# Altium PCB PCB.PcbDoc (part 2 of 2)
Units mm, origin at the board's own origin, x right, y up, seen from the top; angles counter-clockwise.
Board outline 152.4 x 101.6 mm, 2 copper layers (Top Layer, Bottom Layer); 155 components, 126 nets, 496 pads, 218 vias.
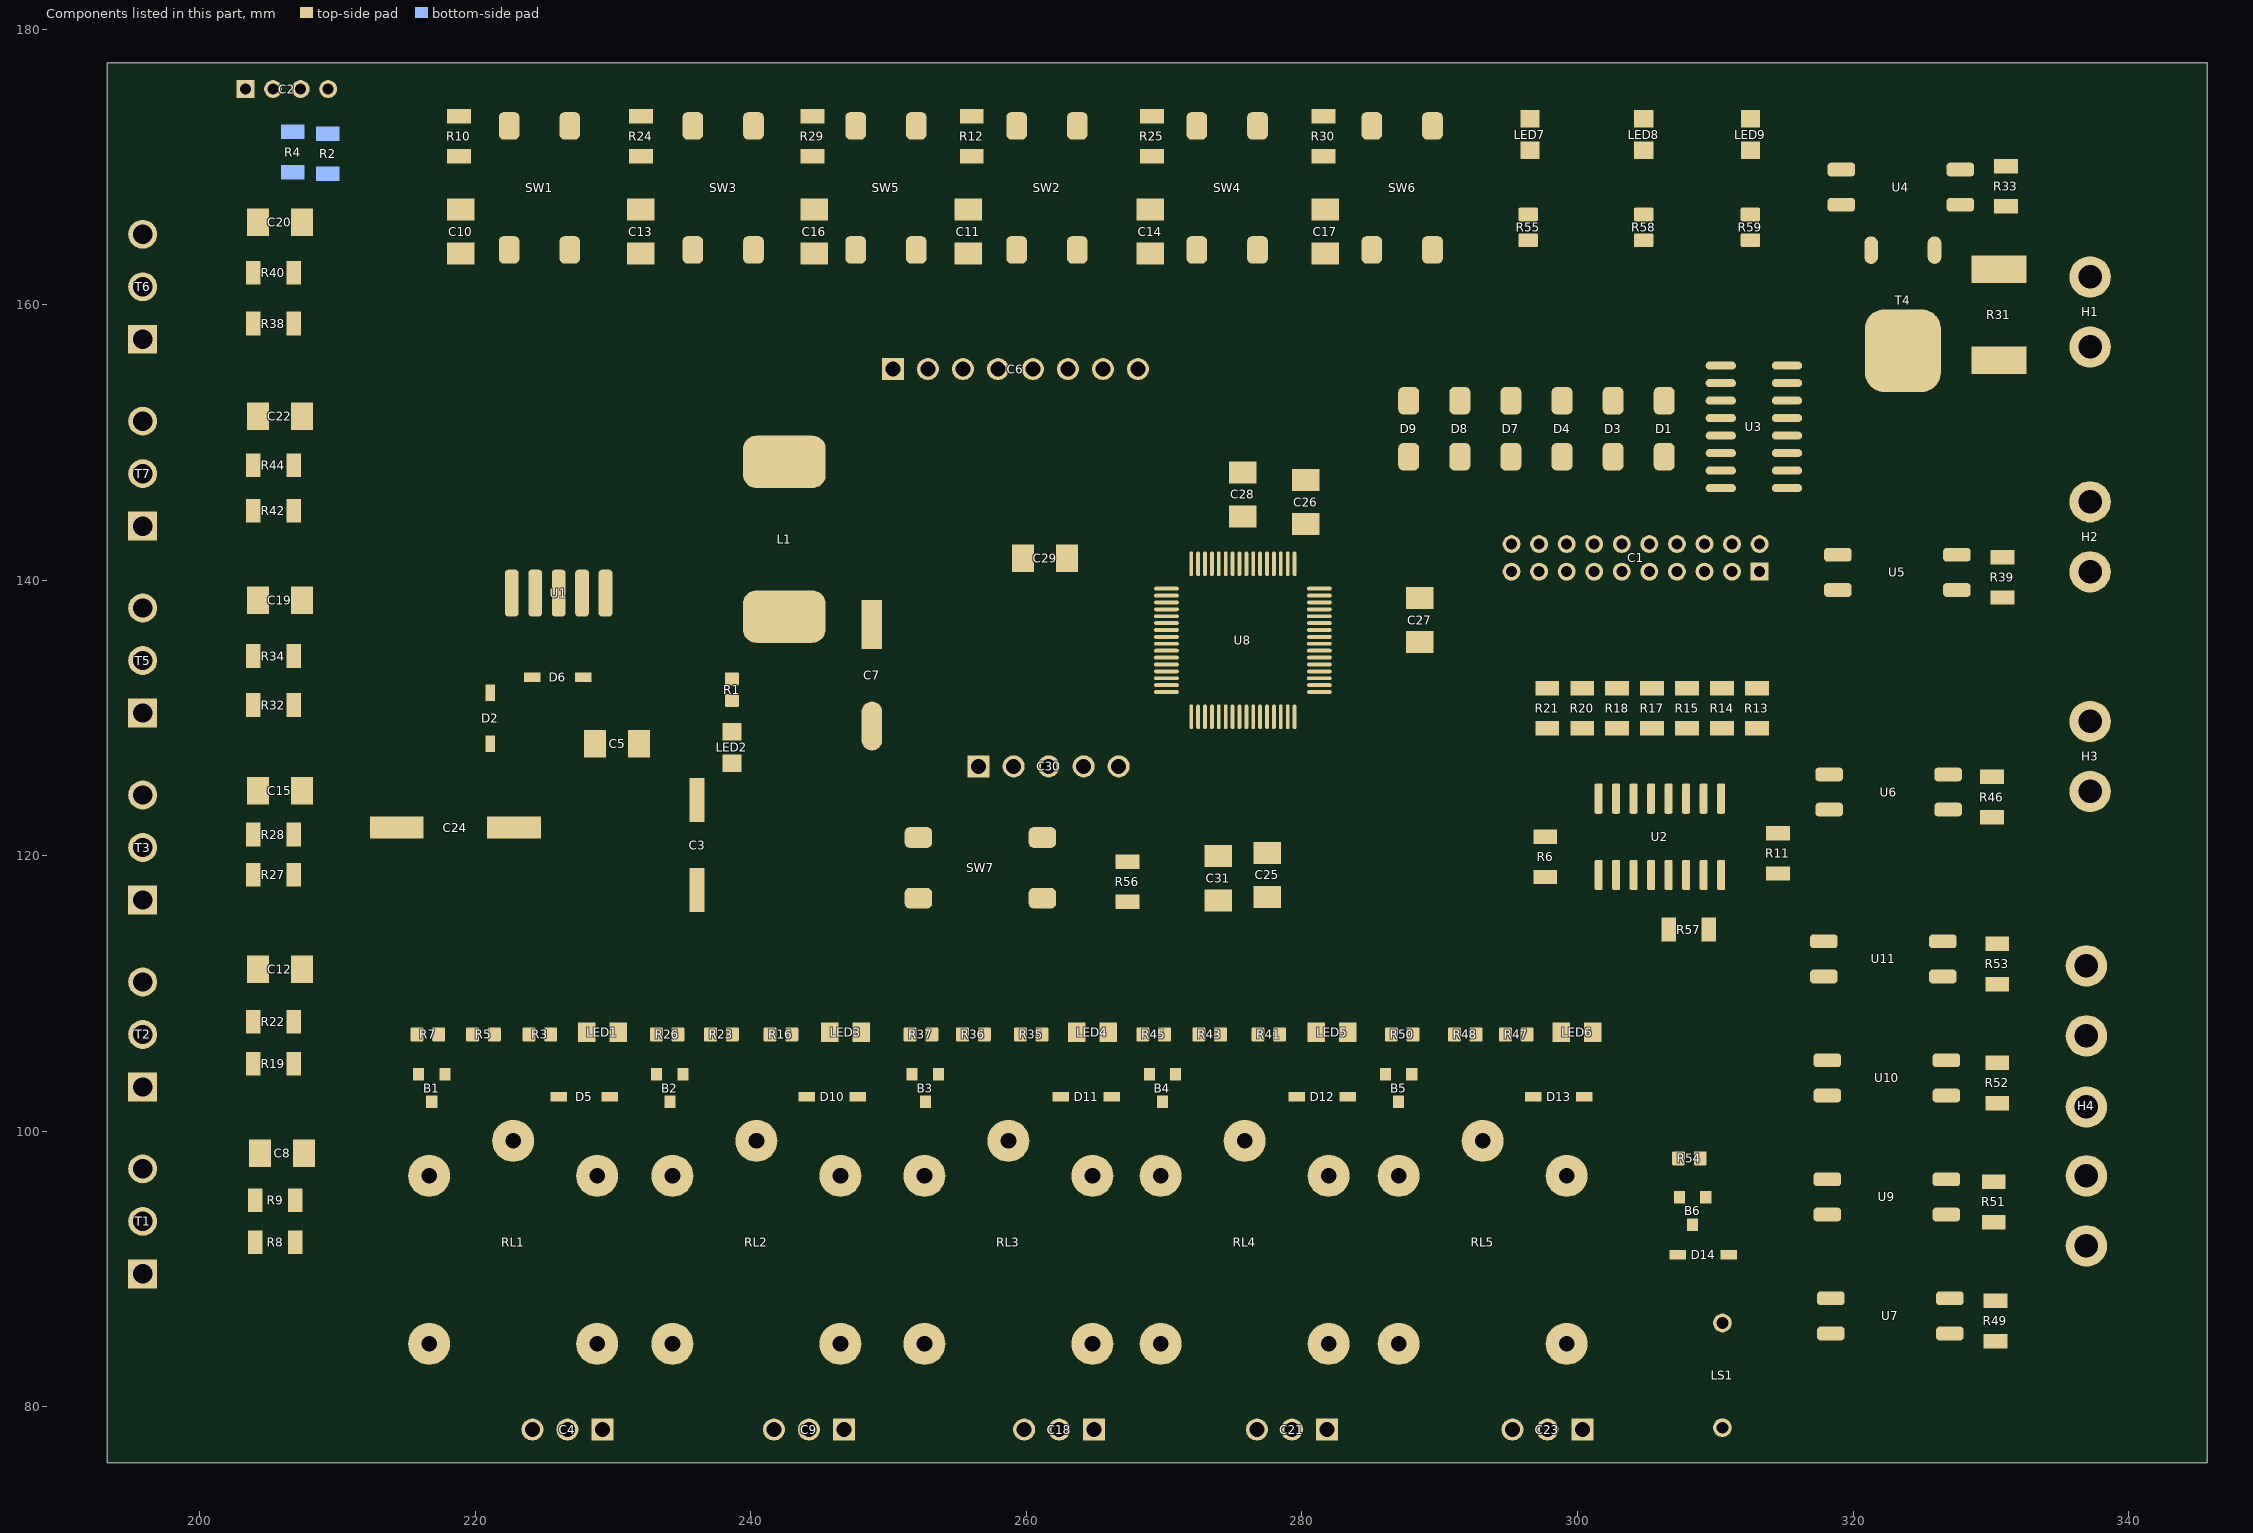
[diagram p2: the components of this part, seen from the top]

## Via types
v1: diameter 1.27, hole 0.8, Top Layer to Bottom Layer, 218 vias

## Nets (pads, with @x,y where several pads share a name; then routed paths per layer and width w, separated by ;. In a path a pad name is that pad's centre, name@x,y a point inside that pad or via, vN(x,y) a via of type N, cw(c..) or ccw(c..) an arc to the next point about the centre after c; other vN are vias at no path point) (continued)
copper on no net: | length 6695
  Top Layer w0.2: v1(198.12,139.573) 198.21,139.663 v1(198.21,142.658) ; v1(199.644,139.7) 200.025,140.081 v1(200.025,142.875) ; 203.333,175.641 203.333,176.536 203.708,176.911 218.821,176.911 ; v1(203.48,173.71) 205.333,173.71 ; 206.756,172.593 206.756,173.863 207.333,174.44 207.333,175.641 ; 206.819,145.034 207.073,144.78 v1(211.836,144.78) ; 206.819,158.623 v1(210.185,158.623) ; v1(207.01,116.713) 213.487,116.713 216.789,113.411 221.488,113.411 v1(223.266,111.633) ; 207.436,111.76 210.693,111.76 v1(210.693,111.887) ; 207.436,124.714 v1(209.931,124.714) ; 207.436,138.557 v1(209.931,138.557) ; 207.589,98.425 v1(209.804,98.425) ; v1(208.026,115.316) 212.09,115.316 215.773,111.633 216.281,111.633 v1(216.789,112.141) ; v1(208.915,106.807) 208.915,105.029 v1(211.455,102.489) ; 209.296,172.466 209.333,172.503 209.333,175.641 ; v1(212.09,106.172) 212.09,103.176 212.39,102.876 212.39,102.189 v1(213.868,100.711) ; v1(215.392,148.971) v1(217.551,146.812) ; v1(217.043,169.164) 217.043,164.084 217.424,163.703 218.948,163.703 ; v1(217.805,114.808) 223.139,114.808 v1(224.409,113.538) ; 218.821,173.672 218.821,176.911 ; 221.389,107.033 228.829,114.473 276.866,114.473 276.912,114.427 279.4,114.427 280.543,115.57 280.543,121.972 276.467,126.048 276.467,127.468 276.179,127.756 276.179,128.784 276.467,129.072 276.467,130.086 ; 222.463,172.972 220.243,170.752 218.821,170.752 218.821,167.03 218.948,166.903 221.879,163.972 222.463,163.972 222.463,160.188 224.536,158.115 252.603,158.115 255.397,155.321 255.397,147.193 256.621,145.969 257.562,145.969 257.608,145.923 262.255,145.923 264.668,143.51 264.668,143.06 264.061,142.453 264.061,140.481 262.636,139.056 v1(262.636,138.938) ; v1@229.362,175.133 v1(228.981,175.133) 228.981,173.609 228.344,172.972 226.863,172.972 226.863,163.972 227.132,163.703 232.029,163.703 ; v1(229.616,112.014) 251.916,112.014 252.47,112.568 253.244,112.568 253.798,112.014 v1(276.733,112.014) ; v1(229.87,113.538) v1(276.479,113.538) ; 230.378,107.188 230.378,107.315 v1(231.902,108.839) ; 232.029,173.672 231.902,173.545 231.902,176.911 ; 235.798,172.972 233.641,170.815 232.092,170.815 232.029,170.752 232.029,166.903 232.867,166.903 235.798,163.972 235.798,159.934 236.855,158.877 254.381,158.877 257.937,155.321 257.937,146.812 258.191,146.558 262.636,146.558 265.684,143.51 264.461,142.287 264.461,140.315 263.779,139.633 v1(263.779,137.668) ; v1(237.871,175.26) 237.998,175.387 237.998,176.911 ; v1(238.633,109.728) 238.661,109.7 238.661,107.033 ; v1(241.173,156.845) 242.195,155.823 242.195,152.458 ; v1(242.316,175.006) 242.316,173.863 241.425,172.972 240.198,172.972 240.198,163.972 240.467,163.703 244.602,163.703 ; 244.475,173.672 244.475,176.911 ; 247.609,172.972 246.507,171.87 246.507,171.196 246.063,170.752 244.475,170.752 244.475,167.03 244.602,166.903 246.355,166.903 247.609,165.649 247.609,163.972 247.609,160.569 248.625,159.553 256.245,159.553 260.477,155.321 259.08,153.924 259.08,147.447 263.652,147.447 266.619,144.48 266.619,142.061 264.876,140.318 264.876,138.17 265.424,137.622 265.857,137.622 265.857,137.131 265.638,136.912 265.638,136.479 265.303,136.144 v1(264.16,136.144) ; 248.031,107.188 248.031,107.696 v1(249.301,108.966) ; 252.167,116.926 261.167,116.926 ; 252.167,121.326 254.34,121.326 ; v1(252.857,111.633) 252.857,109.601 v1(253.619,108.839) ; v1(252.857,175.133) 252.857,173.82 252.009,172.972 252.009,163.972 ; v1(252.984,161.29) 252.73,161.29 252.009,162.011 252.009,163.972 ; v1(254.508,143.891) 254.762,143.637 v1(259.334,143.637) ; 255.778,163.703 252.278,163.703 252.009,163.972 ; v1(256.032,119.634) 254.34,121.326 ; 256.032,173.672 256.032,176.756 256.187,176.911 ; 256.54,126.492 256.54,132.91 255.465,133.985 255.465,136.115 256.892,137.541 v1(258.318,137.541) ; v1(256.921,108.458) 256.949,108.43 256.949,107.033 ; v1(257.175,145.034) 261.747,145.034 262.961,143.82 262.961,141.605 262.961,140.914 261.112,139.065 261.112,137.87 263.773,135.209 266.602,135.209 267.329,135.936 268.374,135.936 268.882,135.428 270.125,135.428 270.167,135.386 272.034,135.386 ; 259.293,172.972 259.293,172.171 257.874,170.752 256.032,170.752 256.032,167.157 255.778,166.903 256.184,166.497 257.302,166.497 259.293,164.506 259.293,163.972 259.293,161.077 263.017,157.353 263.017,155.321 259.969,152.273 259.969,149.352 260.985,148.336 264.287,148.336 267.189,145.434 267.189,142.123 267.086,142.02 267.086,141.766 266.959,141.639 266.959,139.705 v1(265.811,138.557) ; 259.761,141.605 259.761,138.528 263.607,134.682 263.717,134.682 263.965,134.434 263.965,131.377 261.366,128.778 ; 261.62,126.492 261.62,123.698 263.144,122.174 263.144,120.396 261.167,118.419 261.167,116.926 ; v1(262.128,128.143) 262.001,128.143 261.366,128.778 ; v1@265.176,175.26 v1(265.176,175.006) 265.176,174.455 263.693,172.972 263.693,163.972 268.717,163.972 268.986,163.703 ; 265.938,107.188 266.954,108.204 267.208,108.204 v1(267.716,108.712) ; v1(265.938,129.413) 267.081,130.556 267.081,130.628 267.065,130.644 267.065,130.938 268.035,131.908 268.035,132.665 268.596,133.226 269.127,133.226 269.287,133.386 270.167,133.386 ; v1(266.065,130.937) 266.065,131.572 266.267,131.572 266.313,131.526 267.087,131.526 267.635,132.074 267.635,132.83 268.431,133.626 268.961,133.626 269.281,133.946 270.107,133.946 270.167,133.886 ; v1(266.573,136.525) 267.716,136.525 ; v1(266.7,132.461) 268.265,134.026 268.796,134.026 269.156,134.386 270.167,134.386 ; v1(267.462,134.747) 267.589,134.874 270.155,134.874 270.167,134.886 ; v1(267.843,129.286) 267.843,131.15 268.435,131.742 268.435,132.499 268.762,132.826 270.107,132.826 270.167,132.886 ; 267.843,136.398 267.716,136.525 ; 269.113,173.736 269.113,176.911 ; v1(269.494,140.589) 269.51,140.589 269.621,140.478 268.969,139.826 268.969,139.204 269.227,138.946 270.107,138.946 270.167,138.886 ; v1(269.494,142.748) 269.494,142.165 268.686,141.357 268.686,141.103 268.559,140.976 268.559,140.202 268.569,140.191 268.569,139.038 269.161,138.446 270.107,138.446 270.167,138.386 ; v1(270.002,149.098) 272.542,149.098 273.05,148.59 273.05,145.911 273.967,144.994 273.967,141.186 ; v1(270.002,151.511) 272.415,151.511 274.32,149.606 274.32,146.685 275.467,145.538 275.467,141.186 ; v1@270.062,130.048 v1(270.256,130.048) 270.256,131.797 270.167,131.886 270.167,131.483 269.259,130.575 269.259,123.171 267.97,121.882 267.97,121.031 268.224,120.777 273.131,120.777 273.939,119.969 275.925,117.983 276.525,117.983 277.495,117.013 ; v1(270.129,144.78) 268.432,143.083 268.432,141.669 268.286,141.523 268.286,141.269 268.159,141.142 268.159,138.883 269.096,137.946 270.107,137.946 270.167,137.886 ; v1(270.129,146.304) 271.526,146.304 272.967,144.863 272.967,141.186 ; 270.167,135.886 274.062,135.886 v1(274.066,135.89) 275.971,135.89 276.467,136.386 276.467,141.186 276.467,146.431 275.867,147.031 275.867,148.267 275.844,148.29 275.844,152.019 275.636,152.227 273.477,152.227 v1(273.431,152.273) ; 270.167,136.386 270.107,136.446 268.43,136.446 268.097,136.779 268.097,138.129 267.759,138.467 267.759,141.308 267.886,141.435 267.886,141.689 268.032,141.835 268.032,143.249 269.113,144.33 269.113,145.796 268.097,146.812 268.097,147.193 266.319,148.971 266.319,153.035 268.097,154.813 268.097,155.321 268.097,159.131 270.256,161.29 282.392,161.29 285.074,163.972 ; 270.167,136.886 270.227,136.946 v1(272.709,136.946) ; 270.167,137.386 271.827,137.386 272.322,137.881 273.096,137.881 273.591,137.386 274.419,137.386 v1(274.447,137.414) ; 270.167,139.386 270.637,139.856 270.637,141.097 270.891,141.351 v1(270.891,141.986) ; v1(270.51,118.745) 269.685,119.57 267.335,119.57 267.335,122.174 268.835,123.674 268.835,132.252 268.909,132.326 270.107,132.326 270.167,132.386 271.959,132.386 272.034,132.461 272.034,135.386 ; v1(271.018,143.51) 272.034,143.51 272.467,143.077 272.467,141.186 ; v1(271.145,155.194) 276.606,155.194 276.733,155.067 281.94,160.274 289.052,160.274 291.211,162.433 315.595,162.433 316.738,163.576 316.738,169.037 317.5,169.799 319.151,169.799 ; v1(271.653,147.955) 272.288,147.32 272.288,146.108 273.467,144.929 273.467,141.186 ; v1(271.907,150.241) 272.923,150.241 273.558,149.606 273.558,146.304 274.447,145.415 274.447,144.653 274.467,144.633 274.467,141.186 ; 271.967,130.086 271.967,126.858 271.734,126.625 271.734,122.728 272.669,121.793 275.209,121.793 276.789,120.213 277.495,120.213 ; 272.374,172.972 270.154,170.752 269.113,170.752 268.986,170.625 268.986,166.903 271.917,163.972 272.374,163.972 272.374,163.281 271.082,161.988 269.811,161.988 265.557,157.734 265.557,155.321 261.874,151.638 261.874,149.733 264.16,149.733 267.589,146.304 267.589,141.957 267.486,141.854 267.486,141.6 267.359,141.473 267.359,136.882 267.716,136.525 ; 272.467,130.086 272.467,126.44 v1(272.669,126.238) ; v1(273.431,158.115) 276.86,158.115 v1(278.892,160.147) ; 273.467,130.086 273.467,128.306 273.812,127.961 273.532,127.681 v1(273.532,127.581) ; 273.939,116.769 273.82,116.65 267.335,116.65 267.059,116.926 261.167,116.926 ; v1(273.939,125.222) 273.939,125.984 274.467,126.512 274.467,127.968 274.452,127.983 274.452,130.071 274.467,130.086 ; 274.094,107.033 274.193,107.132 v1(274.193,109.093) ; 274.967,130.086 275.001,130.052 275.001,129.303 274.907,129.209 274.907,129.146 274.852,129.091 274.852,128.149 274.867,128.134 274.867,127.371 275.001,127.237 275.001,125.632 274.89,125.521 274.89,124.415 276.669,122.636 278.303,122.636 v1(278.638,122.301) ; 274.967,141.186 274.967,139.434 v1(275.082,139.319) ; 275.467,130.086 275.467,129.204 275.307,129.044 275.307,127.496 275.467,127.336 275.467,125.532 275.29,125.355 275.29,124.581 275.838,124.033 277.033,124.033 v1(277.495,123.571) ; 275.967,130.086 275.967,129.138 275.727,128.898 275.727,127.642 275.967,127.402 275.967,125.226 v1(276.225,124.968) ; v1(276.86,132.842) 276.86,133.858 277.387,134.385 277.387,134.818 277.997,135.428 278.43,135.428 279.388,136.386 281.267,136.386 ; 276.967,130.086 276.967,128.29 v1(277.114,128.143) ; 277.467,130.086 277.467,129.078 277.501,129.078 278.049,128.53 278.049,126.954 278.638,126.365 v1(279.273,126.365) ; v1@277.495,175.051 v1(277.495,175.006) 277.495,173.693 276.774,172.972 276.774,163.972 278.75,163.972 ; v1(278.13,136.652) 278.892,137.414 v1(278.892,138.938) ; v1(278.384,134.493) 277.876,134.493 278.257,134.112 280.031,135.886 281.267,135.886 ; v1(278.638,144.78) 279.787,144.78 280.549,144.018 281.253,144.018 281.259,144.012 281.259,143.593 284.436,143.593 ; 278.836,152.227 279.044,152.019 279.044,147.091 276.967,145.014 276.967,141.186 276.967,134.906 276.987,134.886 ; v1(278.892,162.814) 278.892,163.83 278.75,163.972 ; v1(279.134,133.164) 279.134,133.592 279.669,134.127 279.669,134.734 280.261,135.326 281.207,135.326 281.267,135.386 ; 279.467,130.086 281.658,127.895 283.926,127.895 285.998,129.967 289.514,129.967 v1(289.56,129.921) ; v1(280.543,130.556) 282.448,128.651 283.591,128.651 285.496,130.556 288.873,130.556 289.173,130.856 289.947,130.856 290.495,130.308 290.495,130.129 291.084,129.54 291.465,129.921 v1(292.1,129.921) ; v1(280.67,145.288) 280.67,146.633 280.37,146.933 280.37,147.909 280.679,148.218 v1(280.679,148.773) ; 281.267,131.886 281.267,131.483 281.605,131.145 286.72,131.145 v1(287.528,131.953) ; 281.267,132.386 281.319,132.334 285.623,132.334 285.75,132.207 v1(285.623,132.08) ; 281.267,132.886 281.269,132.888 283.4,132.888 283.673,133.161 289.749,133.161 291.084,131.826 294.005,131.826 v1(294.513,131.318) ; 281.267,133.386 283.332,133.386 283.507,133.561 290.111,133.561 291.384,132.288 294.848,132.288 v1(295.275,132.715) ; 281.267,133.886 283.267,133.886 283.342,133.961 290.473,133.961 291.211,133.223 v1(293.624,133.223) ; 281.267,134.386 291.953,134.386 v1(291.973,134.366) ; 281.267,137.386 282.349,137.386 282.956,136.779 283.972,136.779 v1(284.988,137.795) ; 281.267,137.886 283.301,137.886 v1(283.337,137.922) ; 281.267,139.386 287.867,139.386 288.544,138.709 293.301,138.709 295.213,140.621 ; v1(281.305,147.32) 282.194,146.431 v1(282.194,145.288) ; 281.559,173.672 281.559,176.911 ; 281.686,163.703 281.417,163.972 278.75,163.972 ; v1(282.695,148.009) 282.695,147.581 283.718,146.558 v1(283.718,146.05) ; v1(282.829,117.348) 282.956,117.348 v1(284.988,119.38) ; v1(282.829,149.479) 286.639,145.669 286.639,144.907 ; 283.337,107.188 284.48,108.331 v1(284.988,108.331) ; v1(283.845,141.224) 284.861,142.24 285.237,142.24 285.445,142.032 287.039,142.032 287.247,142.24 291.465,142.24 292.034,141.671 318.897,141.671 318.897,141.844 ; v1(283.972,115.951) 283.972,116.205 v1(286.512,118.745) ; v1(284.099,126.238) 284.48,126.238 v1(287.274,129.032) ; 285.074,172.972 283.779,172.972 281.559,170.752 281.686,170.625 281.686,166.903 282.143,166.903 285.074,163.972 ; v1(285.496,124.079) 285.496,124.333 v1(288.798,127.635) ; v1(286.639,141.097) 286.639,140.843 286.893,140.589 v1(290.957,140.589) ; v1(287.655,124.079) 287.782,124.206 v1(290.195,124.206) ; 287.75,148.955 289.893,146.812 292.989,146.812 295.213,144.588 295.213,142.621 ; 287.75,153.019 287.75,154.845 287.782,154.877 v1(287.782,155.067) ; v1(287.782,162.433) 287.782,163.703 287.513,163.972 285.074,163.972 ; v1(288.036,121.92) 289.231,121.92 291.13,123.819 291.13,124.593 290.495,125.228 290.495,126.7 290.703,126.908 v1(290.703,128.143) ; 288.544,135.509 287.921,134.886 281.267,134.886 281.267,134.826 280.327,134.826 280.069,134.568 280.069,133.204 280.069,132.777 278.576,131.284 277.096,131.284 275.925,132.455 275.925,133.489 276.987,134.551 276.987,134.886 ; v1(289.306,120.904) 289.479,121.077 291.765,121.077 293.37,122.682 292.1,123.952 292.481,124.333 v1(292.481,128.397) ; 289.474,163.236 289.474,163.972 289.474,172.972 289.685,172.972 291.211,174.498 v1(291.211,175.006) v1@291.211,175.26 ; v1(291.338,144.907) 286.639,144.907 ; 291.459,148.955 292.37,148.955 297.213,144.112 297.213,142.621 ; 291.459,153.019 291.459,155.061 v1(291.465,155.067) ; v1(291.592,120.142) 291.592,120.338 293.77,122.516 293.77,122.574 294.195,122.999 293.243,123.952 293.243,125.857 294.132,126.746 v1(293.624,126.746) ; 292.636,107.033 v1(292.636,109.192) ; v1(294.513,173.355) 296.418,173.355 296.545,173.482 ; v1(295.021,125.095) 295.021,123.444 v1(295.529,122.936) ; 295.167,148.955 299.213,144.909 299.213,142.621 ; 295.167,153.019 298.875,153.019 298.875,155.365 v1(299.085,155.575) ; 296.418,164.673 298.323,164.673 ; 296.418,166.543 296.545,166.67 296.545,171.196 ; 297.213,140.621 297.213,137.955 296.291,137.033 296.291,133.529 296.591,133.229 296.591,132.455 296.291,132.155 296.291,127.433 296.464,127.26 296.464,126.486 296.291,126.313 296.291,125.349 297.656,123.984 297.656,121.38 ; 297.656,118.46 297.656,116.999 298.323,116.332 302.768,116.332 ; 297.795,129.254 297.795,127.655 298.196,127.254 299.847,127.254 300.99,126.111 302.26,126.111 302.8,125.571 302.8,124.149 ; 297.795,132.174 297.795,136.886 299.213,138.304 299.213,140.621 ; v1(298.196,105.156) 299.085,105.156 301.117,107.188 302.133,106.172 302.133,88.138 304.038,86.233 v1(304.292,86.233) ; 298.875,148.955 298.875,148.8 301.213,146.462 301.213,142.621 ; 300.333,129.254 300.333,127.784 301.244,126.873 303.022,126.873 304.07,125.825 304.07,124.149 ; 300.333,132.174 300.333,136.884 301.117,137.668 301.117,140.525 301.213,140.621 ; v1(300.736,109.728) 306.324,109.728 v1(306.959,109.093) ; v1(300.99,114.173) 302.97,114.173 304.286,112.857 306.878,112.857 v1(312.801,106.934) ; 301.53,124.149 301.53,122.46 301.689,122.301 306.07,122.301 306.61,121.761 306.61,118.611 306.61,114.649 ; v1(302.387,155.575) 302.641,155.575 302.584,155.518 302.584,153.019 ; 302.584,148.955 302.584,146.615 303.213,145.986 303.213,142.621 ; 302.8,118.611 302.8,116.364 302.768,116.332 ; 302.871,129.254 302.871,128.167 304.165,126.873 304.546,126.873 305.34,126.079 305.34,124.149 ; 302.871,132.174 302.871,137.898 303.213,138.24 303.213,140.621 ; v1(303.403,108.458) 305.308,106.553 v1(305.308,106.299) ; v1(303.657,121.158) 303.721,121.158 304.07,120.809 304.07,118.611 ; v1(304.673,113.792) v1(304.673,116.332) 302.768,116.332 ; v1(304.673,155.829) 305.689,155.829 306.292,155.226 306.292,153.019 ; 304.8,166.543 304.8,171.196 ; 304.8,173.482 307.721,173.482 v1(307.721,173.228) ; 305.213,140.621 305.213,137.763 305.409,137.567 305.409,132.174 ; 305.213,142.621 305.213,145.574 306.292,146.653 306.292,148.955 ; v1(305.308,98.044) 307.326,98.044 ; v1(305.308,120.777) 305.34,120.745 305.34,118.611 ; 305.409,129.254 305.34,129.254 305.689,128.905 305.689,127.635 306.61,126.714 306.61,124.149 ; 307.213,140.621 307.213,137.795 307.848,137.16 307.848,132.273 307.947,132.174 ; 307.213,142.621 307.213,142.875 307.975,143.637 309.663,143.637 310.552,144.526 311.727,144.526 311.746,144.545 317.138,144.545 318.643,146.05 318.643,151.003 317.881,151.765 315.201,151.765 ; 307.406,95.234 304.292,95.234 303.53,95.996 303.53,98.425 304.673,99.568 311.912,99.568 317.513,93.967 318.135,93.967 ; 307.88,118.611 v1(307.88,121.38) ; 307.88,124.149 307.947,124.216 307.947,129.254 ; 308.356,93.234 307.864,93.234 307.282,92.652 307.282,91.059 307.282,83.37 310.515,80.137 310.515,78.496 ; 308.906,98.044 308.906,96.859 309.306,96.459 309.306,95.234 ; v1(308.991,157.607) 308.102,156.718 308.102,151.765 310.401,151.765 310.274,151.892 ; 309.15,118.611 309.15,117.062 309.753,116.459 313.436,116.459 314.547,117.57 314.547,118.714 ; 309.15,124.149 309.15,125.949 310.485,127.284 310.485,129.254 ; 309.213,140.621 309.213,138.335 310.485,137.063 310.485,132.174 ; 309.213,142.621 310.229,143.637 311.404,143.637 311.912,144.145 317.627,144.145 319.278,145.796 319.278,152.273 318.516,153.035 315.201,153.035 ; 310.401,146.685 312.674,146.685 v1(312.801,146.812) ; 310.401,153.035 311.912,153.035 311.912,154.178 312.674,154.94 312.674,157.607 v1(312.801,157.734) ; 310.401,154.305 311.15,154.305 312.039,155.194 312.039,157.174 311.866,157.347 311.866,159.466 v1(312.039,159.639) ; 310.401,155.575 310.401,161.049 v1(310.515,161.163) ; 310.42,118.611 311.778,118.611 v1(311.785,118.618) ; 310.42,124.149 310.42,126.143 310.769,126.492 311.658,126.492 312.42,127.254 312.42,128.651 313.023,129.254 ; 310.515,86.096 310.515,88.138 310.982,88.605 310.982,91.059 ; v1(310.642,173.355) 310.769,173.482 312.547,173.482 ; 311.213,140.621 311.213,138.494 312.928,136.779 312.928,132.269 313.023,132.174 ; 311.213,142.621 312.229,143.637 317.881,143.637 319.678,145.434 319.678,153.651 319.024,154.305 315.201,154.305 ; 312.547,166.543 312.547,171.196 ; 313.213,140.621 314.579,139.255 314.579,121.666 314.547,121.634 ; 313.213,142.621 313.236,142.644 317.777,142.644 320.078,144.945 320.078,153.905 318.408,155.575 315.201,155.575 ; v1(314.452,156.718) 319.151,156.718 v1(319.659,156.21) ; v1(314.706,164.5) 314.533,164.673 312.547,164.673 304.8,164.673 298.323,164.673 ; 315.201,146.685 316.357,146.685 v1(317.5,147.828) ; v1(315.722,132.461) v1(315.722,135.509) ; v1(315.849,88.011) 315.976,87.884 318.389,87.884 ; v1(315.849,157.734) v1(319.151,157.734) ; v1(315.849,159.512) 318.77,159.512 v1(318.897,159.385) ; v1@315.976,161.036 315.722,160.782 v1(315.722,161.29) 318.643,161.29 v1(318.77,161.417) ; v1(316.738,140.462) 316.738,139.371 320.086,136.023 320.086,135.249 319.551,134.714 319.551,133.383 319.959,132.975 319.959,130.094 318.135,128.27 318.262,128.143 318.262,125.906 ; v1(317.5,115.697) 317.5,114.173 317.881,113.792 ; v1(317.5,132.461) v1(317.5,135.509) ; v1(317.754,106.934) 318.135,106.553 318.135,105.156 ; v1(318.008,98.552) 318.135,98.425 318.135,96.52 ; v1(319.024,132.588) 319.151,132.715 v1(319.151,135.636) ; 218.821,176.911 231.902,176.911 ; 231.902,176.911 237.998,176.911 ; 237.998,176.911 244.475,176.911 ; 244.475,176.911 256.187,176.911 ; 254.34,121.326 261.167,121.326 259.08,123.413 259.08,126.492 261.366,128.778 ; 256.187,176.911 269.113,176.911 ; 269.113,176.911 281.559,176.911 ; 272.034,135.386 273.173,135.386 273.673,134.886 276.987,134.886 ; 281.559,176.911 297.561,176.911 298.323,176.149 298.323,164.673 ; 286.529,143.129 286.065,143.593 284.449,143.593 285.61,142.432 285.832,142.432 286.529,143.129 ; 286.529,143.129 286.639,143.239 ; 286.529,143.129 286.639,143.129 286.639,143.239 ; 286.639,143.239 286.639,144.907
  Top Layer w0.5: v1@226.187,135.509 v1(226.314,135.382) ; 242.189,141.224 242.189,135.509 v1(242.316,135.509)
  Top Layer w1: 193.04,144.272 193.04,156.464 194.061,157.485 195.874,157.485 ; 195.874,89.662 193.675,89.662 193.04,90.297 193.04,103.378 ; 195.874,93.472 201.422,93.472 202.946,91.948 204.026,91.948 ; 195.874,97.282 199.39,97.282 199.962,97.853 ; 195.874,103.227 195.898,103.251 193.167,103.251 193.04,103.378 ; 195.874,107.037 200.176,107.037 202.311,104.902 203.899,104.902 ; 195.874,110.847 203.196,110.847 204.236,111.887 ; 195.874,116.791 193.245,116.791 193.04,116.586 ; 195.874,120.601 201.916,120.601 203.899,118.618 ; 195.874,124.411 200.357,124.411 200.66,124.714 204.236,124.714 ; 195.874,130.356 193.113,130.356 193.04,130.429 ; 195.874,134.166 199.825,134.166 200.533,133.458 200.552,133.458 203.073,130.937 203.899,130.937 ; 195.874,137.976 199.952,137.976 200.533,138.557 204.236,138.557 ; 195.874,143.92 193.04,143.92 193.04,140.843 ; 195.874,147.73 201.203,147.73 203.899,145.034 ; 195.874,151.54 196.226,151.892 204.236,151.892 ; 195.874,161.295 200.655,161.295 203.327,158.623 203.899,158.623 ; 195.874,165.105 200.538,165.105 201.422,165.989 204.236,165.989 ; v1(196.977,140.843) 193.04,140.843 ; v1(200.914,95.885) 199.962,96.837 199.962,97.853 ; 204.026,94.996 204.026,97.092 204.389,97.455 204.389,98.425 ; 205.333,175.641 205.333,173.71 204.236,172.613 204.236,165.989 ; 206.819,104.902 206.819,107.95 206.819,110.787 206.641,110.965 207.436,111.76 ; 206.819,118.618 206.819,121.539 206.819,123.38 207.436,123.997 207.436,124.714 ; 206.819,130.937 206.819,134.493 206.819,136.334 207.436,136.951 207.436,138.557 ; 206.819,145.034 206.819,148.336 207.436,148.953 207.436,151.892 ; 206.819,158.623 206.819,162.306 207.436,162.923 207.436,165.989 ; 206.946,91.948 206.946,94.996 206.946,97.782 207.589,98.425 ; v1(207.772,141.859) 219.866,141.859 222.66,139.065 222.66,136.681 221.107,135.128 221.107,131.843 219.456,130.192 219.456,123.063 221.742,120.777 231.394,120.777 234.658,124.041 236.106,124.041 ; v1(213.614,104.267) 215.773,104.267 215.773,107.033 ; 216.662,84.582 221.107,84.582 224.155,81.534 224.155,78.359 ; 216.662,96.774 216.85,96.962 216.85,102.14 225.689,102.14 226.06,102.511 ; 217.353,107.033 219.809,107.033 219.809,105.438 220.853,104.394 ; 217.8,104.14 218.186,104.14 218.44,104.394 220.853,104.394 ; 222.758,99.314 222.631,99.187 222.631,85.852 226.822,81.661 226.822,78.486 226.695,78.359 ; 223.901,107.033 223.901,105.156 223.139,104.394 220.853,104.394 ; 224.36,139.065 224.36,135.509 ; v1(225.425,128.397) 228.448,128.397 228.702,128.143 ; 225.481,107.033 225.636,107.188 228.092,107.188 ; 225.806,116.84 235.433,116.84 236.106,117.513 ; 225.806,124.206 226.822,124.206 228.702,126.086 228.702,128.143 ; 226.06,139.065 226.06,141.986 226.822,142.748 228.6,142.748 229.46,141.888 229.46,139.065 229.46,135.284 231.775,132.969 231.775,131.826 231.902,131.699 231.902,128.143 234.95,128.143 236.366,126.727 238.633,126.727 238.633,120.04 236.106,117.513 ; v1(226.314,135.382) 224.487,135.382 224.36,135.509 ; 227.76,139.065 227.76,134.825 229.997,132.588 229.997,131.318 228.702,130.023 228.702,128.143 ; 228.075,131.826 223.266,131.826 223.266,133.477 224.36,134.571 224.36,135.509 ; v1(228.473,104.14) 233.177,104.14 233.144,104.173 233.144,107.033 233.144,108.176 233.553,108.585 234.315,108.585 v1(234.823,109.093) ; 228.854,84.582 228.854,82.042 229.235,81.661 229.235,78.359 ; 229.76,102.511 229.76,97.68 228.854,96.774 228.854,96.52 v1(232.029,93.345) ; 234.315,84.582 238.76,84.582 241.681,81.661 241.681,78.359 ; 234.315,96.774 234.127,96.962 234.127,102.14 243.706,102.14 244.077,102.511 ; 234.724,107.033 237.081,107.033 237.081,105.692 238.252,104.521 ; 235.077,104.14 235.458,104.521 238.252,104.521 ; v1(236.855,132.842) 238.633,132.842 239.776,133.985 255.465,133.985 ; 238.633,129.013 238.633,131.262 ; v1(240.03,117.475) 239.992,117.513 236.106,117.513 ; 240.411,99.314 240.411,85.598 244.221,81.788 244.221,78.359 ; 241.399,107.033 241.399,105.255 240.538,104.394 238.379,104.394 238.252,104.521 ; 242.195,152.458 245.058,155.321 250.317,155.321 ; 242.979,107.033 243.134,107.188 245.745,107.188 ; v1(243.205,95.25) 243.84,95.25 244.221,95.631 244.475,95.631 244.856,96.012 245.745,96.012 246.507,96.774 247.777,98.044 247.777,102.511 ; 246.507,84.582 246.507,78.613 246.761,78.359 ; 251.719,104.14 251.559,104.3 251.559,107.033 251.559,108.684 251.714,108.839 v1(253.619,108.839) ; 252.603,84.582 256.794,84.582 259.969,81.407 259.969,78.486 259.842,78.359 ; 252.603,96.774 252.669,96.84 252.669,102.14 262.121,102.14 262.492,102.511 ; 253.139,107.033 255.369,107.033 255.369,105.692 256.032,105.029 ; 253.619,104.14 254.508,105.029 256.032,105.029 ; 258.699,99.314 258.699,85.471 262.382,81.788 262.382,78.359 ; 259.56,107.033 259.56,105.509 259.08,105.029 256.032,105.029 ; 261.14,107.033 263.497,107.033 263.652,107.188 ; v1(261.62,104.648) v1(265.176,104.648) 268.163,104.648 268.417,104.394 268.544,104.521 ; v1(262.128,92.583) 262.128,94.107 264.795,96.774 266.192,98.171 266.192,102.511 ; 264.795,84.582 264.795,78.486 264.922,78.359 ; 268.45,107.033 268.45,104.615 268.544,104.521 ; 268.925,104.14 268.544,104.521 ; 269.748,84.582 273.431,84.582 276.733,81.28 276.733,78.359 ; 269.748,96.774 269.875,96.901 269.875,102.14 274.606,102.14 274.638,102.108 279.234,102.108 279.637,102.511 ; 270.03,107.033 272.514,107.033 272.514,105.829 270.825,104.14 275.209,104.14 276.804,105.735 276.804,107.033 ; 275.844,99.314 275.844,85.852 279.273,82.423 279.273,78.359 ; 278.384,107.033 280.896,107.033 281.051,107.188 ; 281.813,78.359 281.94,78.486 281.94,84.582 ; 281.94,96.774 283.337,98.171 283.337,102.511 ; v1(282.321,104.14) 286.07,104.14 286.07,106.619 286.484,107.033 ; 287.02,84.582 291.084,84.582 295.275,80.391 295.275,78.359 ; 287.02,96.774 287.02,102.14 296.411,102.14 296.782,102.511 ; 287.97,104.14 288.064,104.234 288.064,107.033 291.056,107.033 291.056,105.946 292.227,104.775 293.878,104.775 294.767,105.664 294.767,107.033 ; 293.116,99.314 293.116,85.979 297.815,81.28 297.815,78.359 ; 296.347,107.033 298.676,107.033 298.831,107.188 ; v1(296.799,92.456) 296.926,92.456 299.022,94.551 299.022,96.584 299.212,96.774 299.593,97.155 299.593,101.622 300.482,102.511 ; 299.212,84.582 300.355,83.439 300.355,78.359 ; 306.61,114.649 306.61,114.256 309.628,111.239 317.881,111.239 319.011,111.239 320.675,112.903 ; 309.53,114.649 311.753,114.649 v1(311.785,114.681) ; v1(318.008,119.761) 317.5,120.269 317.5,122.971 317.881,123.352 318.262,123.352 319.116,123.352 320.675,121.793 ; 318.135,93.967 320.027,93.967 320.675,94.615 ; 318.135,102.603 319.773,102.603 320.675,103.505 ; 318.389,85.331 320.281,85.331 320.675,85.725 320.675,94.615 ; 321.31,163.957 319.532,165.735 319.532,166.865 319.151,167.246 319.773,167.246 325.501,172.974 333.883,172.974 337.202,169.655 337.202,162.011 340.909,162.011 341.884,161.036 341.884,146.558 ; v1(321.818,140.208) 319.814,140.208 318.897,139.291 320.597,137.59 320.675,137.668 320.675,136.566 320.886,136.355 320.886,134.917 320.351,134.382 320.351,133.715 320.759,133.307 320.759,121.877 320.675,121.793 ; 323.61,156.657 326.832,156.657 327.533,155.956 330.581,155.956 336.227,155.956 337.202,156.931 ; 325.91,163.957 325.628,164.239 325.628,166.497 325.247,166.878 325.247,168.529 326.517,169.799 327.787,169.799 330.835,169.799 331.089,170.053 ; 326.517,113.792 330.274,113.792 330.454,113.612 332.793,113.612 333.375,113.03 333.375,109.22 335.661,106.934 336.931,106.934 ; 326.771,93.967 325.133,93.967 324.231,94.869 ; 326.771,96.52 330.02,96.52 330.2,96.34 336.497,96.34 336.931,96.774 ; 326.771,102.603 325.387,102.603 324.231,103.759 ; 326.771,105.156 327.354,105.156 330.454,102.056 336.647,102.056 336.931,101.773 ; v1(326.771,108.204) 327.914,109.347 327.914,110.617 327.292,111.239 326.517,111.239 325.107,111.239 324.231,110.363 ; 326.898,123.352 325.536,123.352 324.231,122.047 ; 326.898,125.906 326.973,125.906 330.073,122.806 335.335,122.806 337.202,124.673 ; 327.025,85.331 325.768,85.331 324.231,86.868 324.231,94.869 ; 327.025,87.884 327.227,87.884 330.327,84.784 333.704,84.784 336.931,88.011 336.931,91.694 ; 327.533,141.844 330.655,141.844 330.835,141.664 336.149,141.664 337.202,140.611 ; 327.787,167.246 328.041,166.992 v1(328.041,165.735) ; v1(328.168,136.398) 328.168,139.291 327.533,139.291 325.854,139.291 324.231,137.668 324.231,122.047 ; 330.073,125.726 330.835,126.488 330.835,127.127 ; 330.2,93.42 330.327,93.293 330.327,87.704 330.401,87.63 v1(334.01,87.63) ; 330.454,110.692 330.454,104.976 332.666,104.976 333.248,104.394 v1(333.756,104.394) v1@333.83,104.394 ; 330.581,162.56 331.089,163.068 331.089,167.133 v1(334.517,167.133) ; 330.835,138.744 330.835,127.127 ; v1(334.518,127.127) 330.835,127.127 ; v1(335.28,118.364) 336.931,116.713 336.931,112.014 340.614,112.014 342.011,113.411 342.011,130.81 341.884,130.683 ; 337.202,129.753 340.954,129.753 341.884,130.683 ; 337.202,145.691 341.017,145.691 341.884,146.558 ; 193.04,103.378 193.04,116.586 ; 193.04,116.586 193.04,130.429 ; 193.04,130.429 193.04,140.843 ; 199.962,97.853 200.533,98.425 204.389,98.425 ; 204.236,111.887 204.236,111.76 204.236,110.637 203.899,110.3 203.899,107.95 203.962,107.95 205.359,106.553 205.359,102.108 204.389,101.138 204.389,98.425 ; 204.236,111.887 204.236,114.955 205.486,116.205 205.486,119.952 203.899,121.539 203.835,121.603 203.835,124.313 204.236,124.714 ; 204.236,124.714 204.343,124.821 204.343,127.762 205.359,128.778 205.359,133.033 203.899,134.493 203.899,137.351 204.236,137.688 204.236,138.557 ; 204.236,138.557 204.236,140.736 205.359,141.859 205.359,146.876 203.899,148.336 204.236,148.673 204.236,151.892 ; 204.236,151.892 204.236,154.452 205.486,155.702 205.486,160.719 203.899,162.306 204.236,162.643 204.236,165.989 ; 320.675,94.615 320.675,103.505 ; 320.675,103.505 320.675,112.903 ; 320.675,112.903 320.675,121.793 ; 324.231,94.869 324.231,103.759 ; 324.231,103.759 324.231,110.363 ; 324.231,110.363 324.231,122.047 ; 341.884,130.683 341.884,146.558
  Bottom Layer w0.2: v1(198.12,139.573) 198.12,115.062 207.772,115.062 v1(208.026,115.316) ; v1(198.21,142.658) 198.21,177.128 206.788,177.128 206.844,177.184 207.176,177.184 207.232,177.128 209.333,177.128 209.333,175.641 ; v1(199.644,139.7) 199.644,116.713 v1(207.01,116.713) ; v1(200.025,142.875) 198.755,144.145 198.755,175.768 199.578,176.591 207.203,176.591 207.333,176.461 207.333,175.641 ; 203.333,175.641 202.311,175.641 201.93,175.26 201.93,171.069 203.39,169.609 206.756,169.609 206.883,169.482 209.296,169.482 208.915,169.101 208.915,115.749 208.961,115.703 208.961,106.853 v1(208.915,106.807) ; v1(203.48,173.71) 203.48,173.889 203.962,174.371 210.566,174.371 210.82,174.625 210.82,176.276 217.043,176.276 ; v1(209.804,98.425) 212.217,98.425 213.868,100.076 v1(213.868,100.711) ; v1(209.931,124.714) 209.931,136.017 221.869,147.955 v1(271.653,147.955) ; v1(209.931,138.557) 211.328,138.557 221.869,149.098 v1(270.002,149.098) ; v1(210.185,158.623) 215.392,153.416 v1(215.392,148.971) ; v1(210.693,111.887) 210.693,122.682 211.074,123.063 211.074,135.128 222.25,146.304 v1(270.129,146.304) ; v1(211.455,102.489) 212.09,101.854 231.775,101.854 ; v1(211.836,144.78) 213.233,144.78 219.964,151.511 v1(270.002,151.511) ; v1(212.09,106.172) 212.09,134.112 221.869,143.891 v1(254.508,143.891) ; v1(216.789,112.141) 217.805,113.157 v1(217.805,114.808) ; v1(217.043,169.164) 217.043,176.276 ; v1(217.551,146.812) 220.98,150.241 v1(271.907,150.241) ; v1(223.266,111.633) 223.647,112.014 v1(229.616,112.014) ; v1(224.409,113.538) v1(229.87,113.538) ; v1@229.362,175.133 v1(228.981,175.133) 228.727,175.133 228.473,175.387 227.965,175.387 227.076,176.276 ; v1(231.902,108.839) 231.902,101.981 231.775,101.854 ; v1(237.871,175.26) 237.871,160.147 v1(241.173,156.845) ; v1(238.633,109.728) 241.681,112.776 241.681,116.713 248.793,123.825 275.082,123.825 v1(276.225,124.968) ; v1(242.316,175.006) 242.316,175.133 241.173,176.276 ; v1(249.301,108.966) 249.301,101.981 249.174,101.854 ; v1(252.857,111.633) 256.032,114.808 v1(256.032,119.634) ; 252.857,155.321 252.984,155.448 v1(252.984,161.29) ; v1(252.857,175.133) 251.714,176.276 ; 255.397,155.321 255.397,165.1 261.62,171.323 296.418,171.323 304.673,163.068 v1(304.673,155.829) ; v1(256.921,108.458) 256.921,118.618 261.62,123.317 277.241,123.317 v1(277.495,123.571) ; v1(257.175,145.034) 257.175,138.684 v1(258.318,137.541) ; 257.937,155.321 257.937,164.719 261.747,168.529 297.942,168.529 302.387,164.084 v1(302.387,155.575) ; v1(259.334,143.637) 259.38,143.683 270.845,143.683 v1(271.018,143.51) ; 260.477,155.321 260.477,164.465 263.017,167.005 296.799,167.005 299.085,164.719 v1(299.085,155.575) ; 261.62,126.492 263.525,124.587 269.621,124.587 271.272,126.238 v1(272.669,126.238) ; v1(262.128,128.143) 262.128,128.66 262.899,127.889 269.113,127.889 270.256,129.032 v1(270.256,130.048) 274.066,133.858 v1(274.066,135.89) ; v1(262.636,138.938) 263.106,138.938 263.106,138.317 262.825,138.036 262.825,130.367 264.714,128.478 267.035,128.478 v1(267.843,129.286) ; v1(263.779,137.668) 264.668,137.668 264.963,137.373 264.963,136.664 264.547,137.079 263.773,137.079 263.225,136.531 263.225,131.872 265.411,129.686 265.665,129.686 v1(265.938,129.413) ; 264.16,126.492 265.303,125.349 268.859,125.349 273.431,129.921 274.967,129.921 275.81,129.078 277.501,129.078 278.234,128.345 281.669,128.345 283.164,126.85 283.164,125.851 284.936,124.079 v1(285.496,124.079) ; v1(264.16,136.144) 265.238,135.066 265.238,131.764 v1(266.065,130.937) ; v1@265.176,175.26 265.176,176.276 ; 265.557,155.321 265.557,160.782 269.113,164.338 291.465,164.338 v1(291.465,155.067) ; v1(265.811,138.557) 267.116,138.557 267.416,138.257 266.619,137.46 266.186,137.46 265.638,136.912 265.638,133.523 v1(266.7,132.461) ; v1(266.573,136.525) 266.954,136.525 267.462,136.017 v1(267.462,134.747) ; 266.7,126.492 269.436,126.492 273.754,130.81 274.643,130.81 275.975,129.478 277.667,129.478 278.4,128.745 282.545,128.745 283.745,127.545 284.008,127.545 284.326,127.227 284.099,127 v1(284.099,126.238) ; v1(269.494,140.589) 271.653,140.589 273.812,142.748 273.812,144.78 276.352,147.32 v1(281.305,147.32) ; v1(269.494,142.748) 269.494,142.061 270.504,141.051 271.48,141.051 272.796,142.367 272.796,145.161 275.717,148.082 280.67,148.082 280.924,148.336 280.924,148.528 v1(280.679,148.773) ; v1(270.129,144.78) 275.457,150.108 281.232,150.108 281.861,149.479 v1(282.829,149.479) ; v1(270.51,118.745) 270.51,111.76 267.716,108.966 v1(267.716,108.712) 266.065,107.061 264.414,107.061 262.89,105.537 262.89,101.854 ; v1(270.891,141.986) 272.161,143.256 272.161,145.288 276.581,149.708 281.066,149.708 281.732,149.042 281.732,148.972 v1(282.695,148.009) ; v1(271.145,155.194) 271.145,152.325 271.324,152.146 272.236,152.146 273.044,151.338 273.818,151.338 274.626,152.146 274.626,152.96 275.717,154.051 277.284,154.051 279.189,152.146 281.484,152.146 284.907,148.723 284.907,147.949 284.359,147.401 283.585,147.401 282.407,146.223 278.43,146.223 276.733,144.526 275.636,144.526 274.212,143.102 274.212,142.582 273.685,142.055 273.685,137.974 272.709,136.998 v1(272.709,136.946) ; v1(273.431,152.273) 273.431,155.448 ; v1(273.431,158.115) 273.431,155.448 ; v1(273.532,127.581) 274.12,127.581 275.209,126.492 277.062,126.492 278.859,124.695 279.292,124.695 280.797,123.19 280.797,122.047 292.717,110.127 293.023,110.127 293.571,109.579 293.571,108.765 293.878,108.458 v1(303.403,108.458) ; v1(273.939,125.222) 273.939,125.568 274.274,125.903 277.068,125.903 280.162,122.809 280.162,121.666 v1(292.636,109.192) ; v1(274.193,109.093) 274.193,117.602 274.066,117.729 v1(278.638,122.301) ; v1(274.447,137.414) 274.447,138.632 274.147,138.932 274.147,139.706 274.612,140.171 274.612,142.936 275.44,143.764 275.822,143.381 276.154,143.381 276.537,143.764 278.511,143.764 v1(279.146,143.129) 279.319,142.956 281.311,142.956 281.484,143.129 282.119,143.129 283.845,141.403 v1(283.845,141.224) ; v1(275.082,139.319) 276.968,137.433 277.589,137.433 277.743,137.587 278.517,137.587 279.065,137.039 279.065,136.265 278.517,135.717 277.905,135.717 276.687,134.499 276.687,134.447 274.574,132.334 276.63,130.278 277.998,130.278 278.731,129.545 282.876,129.545 284.076,128.345 284.376,128.345 287.621,125.1 288.187,125.1 288.225,125.062 288.225,124.923 288.59,124.558 288.59,123.923 290.136,122.377 293.648,122.377 295.142,123.871 310.596,123.871 315.093,119.374 315.093,119.12 317.5,116.713 v1(317.5,115.697) ; v1(276.479,113.538) 276.479,113.157 279.654,113.157 282.448,115.951 282.448,116.967 v1(282.829,117.348) ; v1(276.733,112.014) 276.352,112.395 280.416,112.395 v1(283.972,115.951) ; v1(276.86,132.842) 278.003,132.842 280.289,130.556 v1(280.543,130.556) 282.431,130.556 284.242,128.745 284.542,128.745 287.787,125.5 288.352,125.5 288.625,125.227 288.625,125.089 288.99,124.724 288.99,124.089 289.808,123.271 290.582,123.271 291.13,123.819 291.13,124.683 291.465,125.018 291.465,125.095 v1(295.021,125.095) ; v1(277.114,128.143) 277.114,127.202 279.221,125.095 279.654,125.095 284.988,119.761 v1(284.988,119.38) ; v1@277.495,175.051 277.495,176.276 ; v1(278.13,136.652) 273.748,132.27 276.141,129.878 277.833,129.878 278.566,129.145 282.71,129.145 283.91,127.945 284.174,127.945 286.431,125.688 286.431,123.692 285.883,123.144 285.109,123.144 283.546,124.707 283.546,124.903 282.764,125.685 282.764,126.684 281.503,127.945 279.933,127.945 279.933,127.61 297.815,109.728 v1(300.736,109.728) ; v1(278.384,134.493) 280.191,134.493 283.088,131.596 283.088,131.03 284.573,129.545 284.873,129.545 288.118,126.3 293.178,126.3 v1(293.624,126.746) ; v1(278.892,138.938) 281.94,141.986 281.94,141.807 283.458,140.289 284.232,140.289 284.78,140.837 284.78,141.611 284.232,142.159 284.212,142.159 282.702,143.669 282.289,143.669 v1(280.67,145.288) ; v1(278.892,160.147) v1(278.892,162.814) ; v1(279.134,133.164) 280.954,133.164 282.688,131.43 282.688,130.864 284.407,129.145 284.707,129.145 287.952,125.9 289.136,125.9 290.195,124.841 v1(290.195,124.206) ; v1(279.273,126.365) 279.325,126.365 286.512,119.178 v1(286.512,118.745) ; v1(282.194,145.288) 282.252,145.288 285.18,142.36 285.18,140.671 284.398,139.889 283.832,139.889 281.54,137.597 281.54,133.946 283.488,131.998 283.488,131.196 284.739,129.945 285.039,129.945 288.284,126.7 290.403,126.7 290.703,127 v1(290.703,128.143) ; v1(283.337,137.922) 284.607,139.192 284.913,139.192 285.923,138.182 285.923,136.952 284.288,135.317 284.288,131.527 285.07,130.745 286.502,130.745 287.28,129.967 287.788,129.967 288.225,129.53 288.225,129.368 288.336,129.257 288.336,128.645 288.082,128.391 288.082,128.351 v1(288.798,127.635) ; v1(283.718,146.05) 283.718,145.34 283.591,145.213 285.58,143.224 285.58,140.505 285.18,140.105 285.18,139.491 286.323,138.348 286.323,134.108 284.688,132.473 284.688,131.693 285.236,131.145 287.014,131.145 287.792,130.367 287.954,130.367 288.625,129.696 288.625,129.534 289.173,128.986 290.224,128.986 290.316,129.078 291.09,129.078 291.771,128.397 v1(292.481,128.397) ; v1(284.988,108.331) 286.004,107.315 286.004,101.854 ; v1(284.988,137.795) 284.988,137.16 281.94,134.112 283.888,132.164 283.888,131.361 284.904,130.345 285.707,130.345 287.147,128.905 v1(287.274,129.032) ; v1@285.242,132.461 v1(285.623,132.08) 286.004,132.08 287.909,133.985 287.909,148.844 292.81,153.745 304.367,153.745 305.689,155.067 305.689,169.222 302.191,172.72 295.148,172.72 v1(294.513,173.355) ; v1(286.639,141.097) 286.639,148.59 279.781,155.448 273.431,155.448 ; v1(287.528,131.953) 287.528,132.08 288.671,133.223 288.671,148.336 293.37,153.035 304.673,153.035 306.324,154.686 306.324,171.831 v1(307.721,173.228) ; v1(287.655,124.079) 290.195,121.539 295.217,121.539 295.679,122.001 295.916,122.001 296.008,122.093 304.044,122.093 305.308,120.829 v1(305.308,120.777) ; v1(287.782,155.067) v1(287.782,162.433) ; v1(288.036,121.92) 288.036,120.142 293.021,115.157 293.402,115.157 296.545,112.014 298.45,112.014 299.212,111.252 300.736,111.252 304.211,114.727 305.06,114.727 308.864,110.923 308.864,102.362 312.674,98.552 v1(318.008,98.552) ; v1(289.306,120.904) 289.941,120.904 289.941,119.888 293.941,115.887 294.322,115.887 295.084,115.126 296.227,115.126 297.18,114.173 v1(300.99,114.173) ; v1(289.56,129.921) 289.56,147.828 289.433,147.955 293.878,152.4 304.927,152.4 307.086,154.559 307.086,169.799 v1(310.642,173.355) ; v1(290.957,140.589) 294.957,140.589 294.989,140.621 ; v1@291.211,175.26 290.195,176.276 277.495,176.276 ; v1(291.338,144.907) 291.338,142.419 290.022,141.103 290.022,140.202 293.064,137.16 313.436,137.16 v1(316.738,140.462) ; v1(291.592,120.142) 294.386,120.142 295.402,121.158 v1(303.657,121.158) ; v1(291.973,134.366) 292.1,134.239 322.834,134.239 326.263,137.668 326.263,156.718 321.564,161.417 v1(318.77,161.417) ; v1(293.624,133.223) 293.624,132.969 294.451,133.796 317.816,133.796 v1(319.024,132.588) ; v1(294.513,131.318) 295.529,131.318 297.053,132.842 315.341,132.842 v1(315.722,132.461) ; 295.213,140.621 294.989,140.621 ; v1(295.275,132.715) 295.529,132.715 296.21,133.396 316.565,133.396 v1(317.5,132.461) ; v1(295.529,122.936) 306.324,122.936 v1(307.88,121.38) ; v1(304.673,113.792) 304.673,108.204 301.625,105.156 v1(298.196,105.156) 298.196,102.87 297.18,101.854 286.004,101.854 ; v1(304.673,116.332) 310.896,116.332 311.785,117.221 v1(311.785,118.618) ; v1(305.308,98.044) v1(305.308,106.299) ; v1(306.959,109.093) 306.959,96.901 v1(315.849,88.011) ; v1(308.991,157.607) 311.277,157.607 312.166,156.718 v1(314.452,156.718) ; v1(310.515,161.163) 315.468,161.163 315.531,161.1 v1(315.722,161.29) ; v1(312.039,159.639) 315.722,159.639 v1(315.849,159.512) ; v1(312.801,106.934) v1(317.754,106.934) ; v1(312.801,146.812) 312.801,145.542 311.785,144.526 295.148,144.526 294.005,143.383 294.005,141.605 294.989,140.621 ; v1(312.801,157.734) v1(315.849,157.734) ; v1(314.706,164.5) 316.322,164.5 317.754,163.068 317.754,148.082 v1(317.5,147.828) ; v1(315.722,135.509) 315.722,136.271 316.992,137.541 322.58,137.541 323.977,138.938 323.977,154.94 322.707,156.21 v1(319.659,156.21) ; v1(317.5,135.509) 317.5,136.017 317.373,136.144 318.008,136.779 322.961,136.779 324.739,138.557 324.739,155.448 322.453,157.734 v1(319.151,157.734) ; v1(318.897,159.385) 322.453,159.385 325.628,156.21 325.628,138.43 322.453,135.255 322.072,135.636 v1(319.151,135.636) ; 217.043,176.276 227.076,176.276 ; 227.076,176.276 241.173,176.276 ; 231.775,101.854 249.174,101.854 ; 241.173,176.276 251.714,176.276 ; 249.174,101.854 262.89,101.854 ; 251.714,176.276 265.176,176.276 ; 262.89,101.854 286.004,101.854 ; 265.176,176.276 277.495,176.276
  Bottom Layer w1: 195.874,89.662 235.331,89.662 ; v1(196.977,140.843) 197.042,140.908 198.673,140.908 198.738,140.843 198.899,140.843 199.091,141.035 200.197,141.035 200.389,140.843 206.756,140.843 v1(207.772,141.859) ; v1(200.914,95.885) 205.105,100.076 205.105,101.727 207.645,104.267 v1(213.614,104.267) 213.741,104.14 v1(228.473,104.14) ; v1(225.425,128.397) 232.41,128.397 v1(236.855,132.842) ; v1(226.314,135.382) 226.441,135.509 v1(242.316,135.509) ; v1(232.029,93.345) 232.029,92.964 235.331,89.662 ; v1(234.823,109.093) 240.03,114.3 v1(240.03,117.475) ; v1(243.205,95.25) 244.729,93.726 244.729,90.932 243.586,89.789 ; v1(253.619,108.839) 253.619,108.712 257.683,104.648 v1(261.62,104.648) ; v1(262.128,92.583) 262.255,92.456 262.255,91.694 260.35,89.789 ; v1(265.176,104.648) 265.684,104.14 v1(282.321,104.14) ; 281.94,96.774 281.94,91.821 279.908,89.789 ; v1(296.799,92.456) 294.132,89.789 ; v1(304.292,86.233) 310.378,86.233 310.515,86.096 ; v1(311.785,114.681) 311.895,114.681 318.372,108.204 v1(326.771,108.204) ; v1(312.801,146.812) 313.944,145.669 320.802,145.669 321.818,144.653 v1(321.818,140.208) ; v1(318.008,119.761) 319.405,118.364 v1(335.28,118.364) ; v1(328.041,165.735) 328.041,136.398 v1(328.168,136.398) ; v1(333.756,104.394) 340.487,104.394 ; v1(334.517,167.133) 338.2,167.133 340.487,164.846 340.487,127.127 ; v1(334.518,127.127) 340.487,127.127 ; 235.331,89.662 243.332,89.789 243.586,89.789 ; 243.586,89.789 260.35,89.789 ; 260.35,89.789 279.908,89.789 ; 279.908,89.789 294.132,89.789 ; 294.132,89.789 311.658,89.789 316.865,84.582 326.898,84.582 329.946,87.63 v1(334.01,87.63) 339.217,87.63 340.487,88.9 340.487,104.394 ; 340.487,104.394 340.487,127.127

## Text inside footprints (layer, text, board x,y; h text height)
B1: Mechanical 15 "Q2" at 217.25,103.39 h0.5 r180
B2: Mechanical 15 "Q2" at 234.527,103.39 h0.5 r180
B3: Mechanical 15 "Q2" at 253.069,103.39 h0.5 r180
B4: Mechanical 15 "Q2" at 270.275,103.39 h0.5 r180
B5: Mechanical 15 "Q2" at 287.42,103.39 h0.5 r180
B6: Mechanical 15 "Q2" at 308.756,94.484 h0.5 r180
C7: Top Overlay "+" at 249.693,136.448 h0.89 r270
U1: Top Overlay "1" at 221.034,139.116 h1